# KiCad board MAXI030.kicad_pcb (continued)
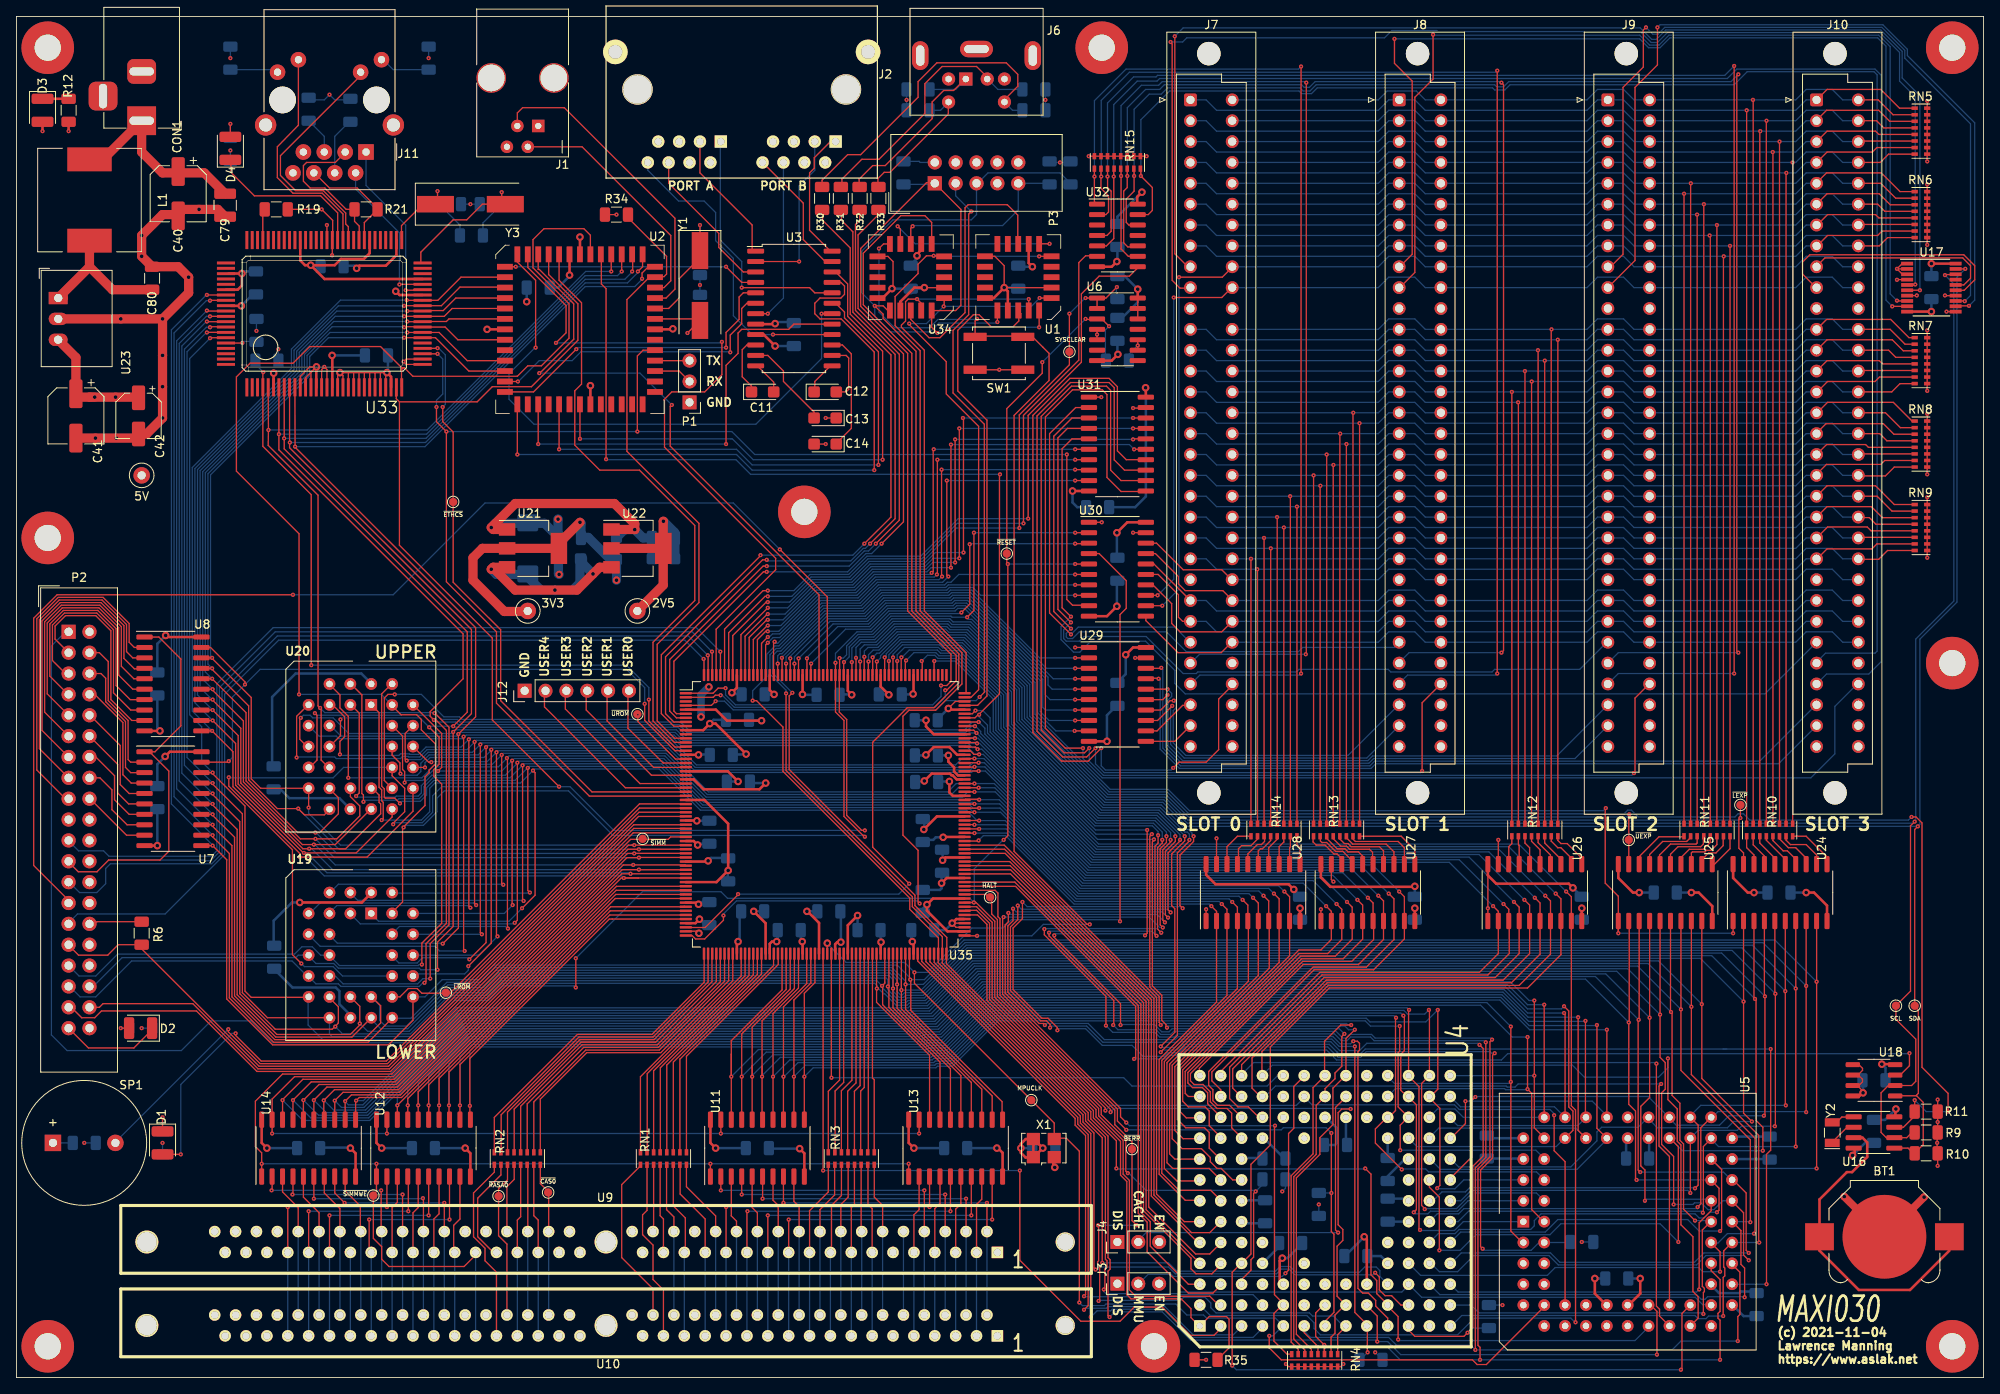
[diagram p0: board, top side]
## Routing (per net, layer and track width the routed paths; a pad name or vN(x,y) marks a point on that pad's centre or on a via; arc(x,y) is an arc through that point) (continued)
D14: length 228.6
  Top w0.152: U12.12 v1(53.98,33.15) 53.98,38.1 72.2,56.32 81.53,56.32 ; U5.55 192.34,30.35 v1(192.34,42.93)
  Bottom w0.152: U4.M9 172.05,26.61 173.3,25.35 189.92,25.35 193.62,29.06 ; v1(192.34,42.93) 192.28,42.86 184.09,42.86 180.66,46.29 118.3,46.29 112.78,40.77 110.74,40.77 110.55,40.58 55.44,40.58 53.98,39.12 v1(53.98,33.15)
D15: length 224.3
  Top w0.152: v1(176.34,33.66) 176.34,30.92 174.56,29.15 ; 55.18,33.02 55.18,31.24 ; 55.18,33.02 55.18,38.86 72.15,55.83 72.5,55.83 ; 55.18,33.02 v1(55.18,33.08) ; 193.68,31.69 193.55,31.81 v1(193.55,42.35) ; 72.5,55.83 72.52,55.82 ; 72.5,55.83 U35.56
  Bottom w0.152: v1(176.34,33.66) 191.77,33.66 193.55,31.88 U5.54 ; v1(193.55,42.35) 184.15,42.35 180.53,45.97 118.43,45.97 112.9,40.45 110.87,40.45 110.68,40.26 55.63,40.26 55.18,39.81 v1(55.18,33.08)
D16: length 371.1
  Top w0.152: 104.68,47.34 104.68,45.69 111.12,39.24 111.12,31.31 ; 104.68,47.34 U35.103 ; 104.68,47.34 104.68,47.34 v1(104.71,47.37) ; 22.51,73.66 v1(23.88,73.66) 23.88,73.53 27.81,69.6 27.81,47.05 28.58,46.29 35.37,46.29 ; 210.19,55.5 v1(210.19,45.78) 210.19,32.19 v1(211.2,31.18) ; 25.46,126.62 23.62,126.62 v1(23.56,126.56)
  Bottom w0.152: v1(211.2,31.18) 208.98,31.18 208.22,30.42 199.71,30.42 198.44,31.69 ; v1(210.19,45.78) 204.91,51.05 116.21,51.05 110.74,45.59 108.65,45.59 108.39,45.34 107.06,45.34 105.66,46.74 105.54,46.74 104.9,47.37 v1(104.71,47.37) 104.71,47.75 104.46,48.01 59.12,48.01 57.34,46.23 53.21,46.23 48.13,41.15 37.27,41.15 35.5,42.93 35.5,46.29 ; v1(23.88,73.66) 22.54,74.99 22.54,79.25 21.08,80.71 21.08,124.08 v1(23.56,126.56) ; 198.69,31.81 197.36,30.48 192.91,30.48 192.34,29.91 192.34,28.83 189.17,25.65 175.51,25.65 174.56,26.61 U4.N9
D17: length 401.3
  Top w0.152: v1(173.16,15.49) 173.16,21.97 171.96,23.18 U4.M8 ; 201.23,29.15 202.25,28.13 v1(202.25,16.51) ; 38.23,43.81 30.54,43.81 27.5,46.86 27.5,68.64 23.88,72.26 v1(23.88,72.39) U7.17 ; 211.46,55.63 211.46,46.23 v1(211.58,46.1) 211.71,45.97 211.71,31.31 212.53,30.48 v1(212.53,27.62) ; v1(23.18,127.25) 23.19,127.27 U33.94 ; U35.105 105.68,48.14 105.66,48.13 105.66,48.01 v1(105.35,47.69) 105.41,47.62 105.41,45.4 112.4,38.42 112.4,31.31
  Bottom w0.152: v1(202.25,16.51) 200.03,18.73 187.96,18.73 186.63,17.4 177.61,17.4 175.7,15.49 v1(173.16,15.49) ; U5.49 201.1,29.15 ; v1(23.18,127.25) 23.11,127.25 20.76,124.9 20.76,75.5 v1(23.88,72.39) ; 201.23,29.02 201.36,29.02 202.76,27.62 v1(212.53,27.62) ; v1(211.58,46.1) 206.31,51.37 116.08,51.37 110.62,45.91 108.52,45.91 108.27,45.66 107.19,45.66 105.35,47.5 v1(105.35,47.69) 104.71,48.32 58.99,48.32 57.21,46.55 53.09,46.55 48.07,41.53 38.42,41.53 38.1,41.85 U19.14
D18: length 387.3
  Top w0.152: v1(177.55,34.16) 177.17,33.78 177.17,26.92 174.5,24.26 U4.N8 ; v1(23.56,127.89) 23.62,127.95 25.46,127.95 ; 38.04,46.29 39.18,45.15 39.18,43.18 v1(38.8,42.74) 38.42,42.42 31.5,42.42 27.18,46.74 27.18,67.69 23.88,70.99 v1(23.88,71.12) U7.16 ; U35.106 106.18,47.75 ; 106.18,47.75 106.05,47.62 v1(106.05,47.62) ; 106.18,47.75 106.18,45.08 113.67,37.59 113.67,30.48 113.67,30.73 ; 212.72,55.69 212.72,46.48 v1(212.79,46.42) 212.79,32 v1(212.66,31.88)
  Bottom w0.152: U4.N8 174.5,24.13 ; v1(212.66,31.88) 208.41,31.88 207.26,30.73 201.99,30.73 201.1,31.62 ; v1(23.56,127.89) 23.11,127.89 20.45,125.22 20.45,74.55 v1(23.88,71.12) ; v1(212.79,46.42) 207.52,51.69 115.95,51.69 110.49,46.23 108.39,46.23 108.14,45.97 107.31,45.97 106.05,47.24 v1(106.05,47.62) 106.05,48.45 105.85,48.64 58.86,48.64 57.09,46.86 52.96,46.86 47.94,41.85 39.69,41.85 v1(38.8,42.74) ; v1(177.55,34.16) 177.61,34.23 198.56,34.23 201.17,31.62 ; U19.15 38.1,46.23
D19: length 389.1
  Top w0.152: v1(203.71,22.48) 203.71,28.89 ; v1(23.18,128.59) 23.2,128.56 U33.92 ; 115,31.12 114.94,31.18 114.94,36.77 106.68,45.03 106.68,47.43 ; 214,55.5 214,46.8 v1(214.06,46.74) 214.06,30.67 v1(214,30.61) ; 106.68,47.43 106.68,47.38 v1(106.68,47.37) ; 106.68,47.43 U35.107 ; U19.17 41.78,45.21 v1(41.78,43.12) 41.78,42.93 40.64,41.78 31.69,41.78 26.86,46.61 26.86,66.74 23.88,69.72 v1(23.88,69.85) 22.61,69.85
  Bottom w0.152: v1(203.71,22.48) 203.39,22.8 177.04,22.8 175.77,21.53 U4.N7 ; v1(23.88,69.85) 20.13,73.6 20.13,125.6 23.11,128.59 v1(23.18,128.59) ; 203.64,29.08 204.66,30.1 209.42,30.1 209.93,30.61 v1(214,30.61) ; v1(214.06,46.74) 208.79,52.01 115.82,52.01 110.36,46.55 108.2,46.55 107.95,46.29 107.44,46.29 106.68,47.05 v1(106.68,47.37) 106.68,48.45 106.17,48.96 58.74,48.96 56.96,47.18 52.83,47.18 47.82,42.16 42.74,42.16 v1(41.78,43.12)
D20: length 393.4
  Top w0.152: U5.46 204.66,30.73 204.66,23.43 v1(204.28,23.05) ; v1(215.33,33.15) 215.27,33.21 v1(215.27,47.05) 215.27,55.63 ; U33.91 23.57,129.22 v1(23.56,129.22) ; v1(107.18,47.88) 107.18,47.77 107.19,47.75 ; v1(107.18,47.88) 107.18,44.97 116.21,35.94 116.21,31.43 116.14,31.37 ; v1(107.18,47.88) 107.18,51.62 ; 22.51,68.58 v1(23.88,68.58) 23.88,68.45 26.54,65.79 26.54,46.48 31.56,41.47 40.83,41.47 U19.18
  Bottom w0.152: 43.12,43.69 44.32,42.48 47.63,42.48 52.64,47.5 56.83,47.5 58.61,49.28 106.3,49.28 107.18,48.4 v1(107.18,47.88) 107.18,47 107.57,46.61 107.82,46.61 108.08,46.86 110.24,46.86 115.7,52.32 209.99,52.32 v1(215.27,47.05) ; v1(23.56,129.22) 23.11,129.22 19.81,125.92 19.81,72.64 v1(23.88,68.58) ; v1(215.33,33.15) 204.98,33.15 203.58,31.75 ; U4.M7 172.4,21.53 173.48,22.61 176.34,22.61 176.85,23.11 204.22,23.11 v1(204.28,23.05)
D21: length 404.7
  Top w0.152: v1(205.23,20.07) 205.3,20.13 205.3,28.13 206.25,29.08 ; 43.31,46.29 44.32,45.28 44.32,43.18 42.29,41.15 31.43,41.15 26.23,46.36 26.23,64.77 23.88,67.12 v1(23.88,67.31) U7.13 ; 216.53,55.75 v1(216.53,47.37) v1(216.53,28.13) ; v1(23.18,129.92) 23.23,129.87 U33.90 ; 107.68,51.62 107.7,51.6 v1(107.7,47.18) 107.7,44.89 117.48,35.12 117.48,31.31
  Bottom w0.152: v1(205.23,20.07) 205.04,20.26 176.72,20.26 175.45,18.99 U4.N6 ; 43.12,46.42 44.2,45.34 44.2,43.5 44.89,42.8 47.5,42.8 52.51,47.82 56.64,47.82 58.42,49.59 106.43,49.59 107.7,48.32 v1(107.7,47.18) 110.11,47.18 115.57,52.64 211.26,52.64 v1(216.53,47.37) ; v1(216.53,28.13) 207.14,28.13 206.18,29.08 ; v1(23.18,129.92) 19.49,126.24 19.49,71.69 v1(23.88,67.31)
D22: length 401.6
  Top w0.152: U5.44 204.98,30.42 204.98,21.15 v1(204.6,20.76) ; 118.75,31.5 118.75,34.29 108.2,44.83 v1(108.2,47.88) 108.2,51.59 108.18,51.62 ; 22.51,66.04 v1(23.88,66.04) 23.88,65.85 25.91,63.82 25.91,46.23 31.31,40.83 42.8,40.83 45.72,43.75 ; 217.81,55.75 v1(217.81,47.69) v1(217.81,32.32) ; U33.88 23.6,131.16 v1(23.56,131.13) ; 22.54,66.1 22.48,66.04
  Bottom w0.152: U4.M6 172.91,19.94 175.51,19.94 176.15,20.57 204.6,20.57 204.79,20.76 v1(204.6,20.76) ; v1(217.81,47.69) 212.53,52.96 115.44,52.96 110.36,47.88 v1(108.2,47.88) 108.2,48.26 106.55,49.91 58.23,49.91 56.45,48.13 52.39,48.13 48.01,43.75 45.66,43.75 ; v1(217.81,32.32) 217.74,32.39 207.07,32.39 206.31,31.62 ; v1(23.56,131.13) 23.11,131.13 19.18,127.19 19.18,70.74 v1(23.88,66.04)
D23: length 413.8
  Top w0.152: 206.18,26.67 207.52,25.34 207.52,18.03 v1(207.33,17.84) ; 120.02,31.5 119.95,31.56 119.95,33.59 108.84,44.7 108.84,48.39 108.68,48.55 108.68,51.62 ; 219.08,55.75 v1(219.08,48.2) v1(219.08,25.46) ; U13.11 120.02,31.31 ; 108.78,48.26 v1(108.78,48.45) ; v1(23.18,131.83) 23.19,131.81 U33.87 ; 21.72,64.77 U7.11 v1(23.88,64.77) 25.59,63.06 25.59,46.1 31.18,40.51 45.28,40.51 48.26,43.5 48.26,46.16
  Bottom w0.152: v1(23.18,131.83) 23.11,131.83 18.86,127.57 18.86,69.85 23.88,64.83 v1(23.88,64.77) ; U4.N5 175.77,17.72 186.06,17.72 187.58,19.24 203.39,19.24 204.79,17.84 v1(207.33,17.84) ; v1(219.08,48.2) 214,53.28 115.32,53.28 110.49,48.45 v1(108.78,48.45) 108.78,48.64 107.19,50.23 58.1,50.23 56.32,48.45 51.82,48.45 49.72,46.36 U19.21 ; 206.18,26.54 206.31,26.54 207.39,25.46 v1(219.08,25.46)
D24: length 459.4
  Top w0.152: 206.18,24.07 207.2,23.05 207.2,20.38 v1(206.95,20.13) ; 74.93,64.83 75.18,64.83 v1(75.18,64.83) ; 74.93,64.83 74.48,64.83 45.97,36.32 34.86,36.32 32.39,33.85 v1(32.39,33.78) 32.39,31.37 ; 74.93,64.83 U35.38 ; v1(197.17,24.07) 197.04,24.19 197.04,32.45 196.22,33.27 v1(196.22,43.24) 196.28,43.31 196.28,55.69 ; U33.36 50.99,126.62 55.05,122.56 59.56,122.56 ; 35.37,71.75 29.72,71.75 28.58,72.9 28.58,82.8 23.81,87.57 v1(23.81,87.63) 22.58,87.63 ; U14.18 32.48,31.4 32.51,31.43 ; U20.13 v1(35.56,69.41) ; v1(47.18,126.62) 49.09,126.62
  Bottom w0.152: v1(206.95,20.13) 206.06,20.13 205.36,19.43 204.79,19.43 204.28,19.94 185.55,19.94 184.72,19.11 184.72,18.48 184.28,18.03 175.58,18.03 175.07,17.53 173.04,17.53 U4.M5 ; v1(75.18,64.83) 39.43,64.83 35.56,68.71 v1(35.56,69.41) ; 32.39,33.66 v1(32.39,33.78) 34.86,31.31 42.99,31.31 54.48,42.8 109.54,42.8 109.79,43.05 111.89,43.05 117.35,48.51 190.94,48.51 v1(196.22,43.24) ; v1(47.18,126.62) 37.97,126.62 35.69,124.33 35.69,121.98 23.62,109.92 23.62,87.82 v1(23.81,87.63) ; v1(197.17,24.07) U5.40
D25: length 469.2
  Top w0.152: v1(210.82,15.18) 210.5,15.49 210.5,22.48 208.92,24.07 ; U2.17 54.86,123.83 51.44,127.25 49.4,127.25 ; 33.66,31.31 v1(33.66,33.78) 35.88,36 46.1,36 74.42,64.33 v1(75.76,64.33) 75.76,64.33 U35.39 ; 197.49,55.63 197.49,43.62 v1(197.42,43.56) 197.36,43.5 197.36,25.27 v1(197.61,25.02) ; 22.58,86.36 v1(23.81,86.36) 23.81,86.23 28.26,81.79 28.26,72.77 31.75,69.28 v1(34.29,69.28) 35.05,68.52 37.47,68.52 38.23,69.28 ; U8.17 22.23,86.36 ; v1(47.56,127.25) 49.28,127.25
  Bottom w0.152: U4.N4 174.56,13.91 175.83,15.18 186.69,15.18 187.83,14.03 204.22,14.03 205.36,15.18 v1(210.82,15.18) ; v1(34.29,69.28) 39.24,64.33 v1(75.76,64.33) ; v1(23.81,86.36) 23.3,86.87 23.3,110.05 35.37,122.11 35.37,124.46 38.16,127.25 v1(47.56,127.25) ; v1(33.66,33.78) 35.81,31.62 42.86,31.62 54.36,43.12 109.35,43.12 109.6,43.37 111.76,43.37 117.22,48.83 192.15,48.83 v1(197.42,43.56) ; v1(197.61,25.02) 207.74,25.02 208.63,24.13 208.92,24.13
D26: length 465.7
  Top w0.152: v1(204.79,10.73) 204.79,18.86 206.25,20.32 206.25,21.46 ; 38.04,71.75 39.18,70.61 39.18,68.64 36.89,66.36 v1(36.39,66.36) 34.23,66.36 27.94,72.64 27.94,80.96 v1(23.81,85.09) 22.58,85.09 ; v1(75.18,63.82) 75.17,63.83 75.13,63.83 ; v1(47.18,127.89) 47.24,127.95 49.21,127.95 ; U35.40 75.13,63.83 ; 75.13,63.83 75.12,63.82 74.36,63.82 46.23,35.69 36.83,35.69 v1(34.93,33.78) 34.93,31.12 ; U33.38 52.17,127.91 53.72,126.37 59.5,126.37 ; v1(198.18,21.53) 198.18,25.27 197.68,25.78 197.68,33.02 198.75,34.1 v1(198.75,43.81) 198.75,55.63 ; 34.99,31.18 35.05,31.18
  Bottom w0.152: v1(204.79,10.73) 204.47,10.41 175.45,10.41 U4.N3 ; 206.38,21.53 206.18,21.72 198.37,21.72 v1(198.18,21.53) ; v1(47.18,127.89) 47.12,127.95 38.42,127.95 35.05,124.59 35.05,122.24 22.99,110.17 22.99,85.92 v1(23.81,85.09) ; v1(34.93,33.78) 36.77,31.94 42.74,31.94 54.23,43.43 109.22,43.43 109.47,43.69 111.63,43.69 117.09,49.15 193.42,49.15 v1(198.75,43.81) ; v1(75.18,63.82) 38.99,63.82 36.45,66.36 v1(36.39,66.36)
D27: length 475.6
  Top w0.152: v1(210.82,14.29) 210.19,14.92 210.19,20.07 208.72,21.53 ; 40.64,71.82 40.64,70.74 41.78,69.6 41.78,68.39 38.99,65.6 v1(36.39,65.6) 34.54,65.6 27.62,72.52 27.62,79.95 23.88,83.69 v1(23.88,83.82) 22.67,83.82 ; 200.03,55.75 v1(200.03,44.2) 200.03,38.99 200.66,38.35 200.66,35.12 200.22,34.67 200.22,28.38 201.68,26.92 v1(201.68,21.08) ; 36.2,31.37 v1(36.2,33.78) 37.78,35.37 46.36,35.37 74.3,63.31 75.78,63.31 75.8,63.33 ; U35.41 75.8,63.33 ; 75.8,63.33 75.78,63.33 v1(75.76,63.31) ; 49.97,128.59 52.32,128.59 52.64,128.91 U2.13 ; v1(47.56,128.59) 47.58,128.56 U33.39
  Bottom w0.152: v1(201.68,21.08) 204.03,21.08 204.22,21.27 205.04,21.27 205.87,20.45 206.57,20.45 207.65,21.53 U5.37 ; v1(36.2,33.78) 37.72,32.26 42.61,32.26 54.1,43.75 109.09,43.75 109.35,44.01 111.51,44.01 116.97,49.47 194.75,49.47 v1(200.03,44.2) ; v1(47.56,128.59) 38.61,128.59 34.73,124.71 34.73,122.36 22.67,110.3 22.67,85.03 v1(23.88,83.82) ; U4.M4 172.15,13.91 173.16,12.89 175.39,12.89 177.36,14.86 186.5,14.86 187.64,13.72 204.47,13.72 205.61,14.86 210.25,14.86 v1(210.82,14.29) ; v1(36.39,65.6) 38.67,63.31 v1(75.76,63.31)
D28: length 464.1
  Top w0.152: U4.N2 174.82,8.83 174.88,8.76 ; v1(205.3,7.75) 205.3,10.35 205.42,10.48 205.42,10.86 205.17,11.11 205.17,17.97 206.18,18.99 ; 22.58,82.55 v1(23.88,82.55) 23.88,82.49 27.31,79.06 27.31,72.39 34.8,64.9 v1(36.2,64.9) 38.8,64.9 43.18,69.28 ; U35.43 81.37,62.42 v1(75.06,62.42) 73.85,62.42 46.48,35.05 38.7,35.05 v1(37.4,33.75) 37.4,31.24 ; 59.44,130.18 53.02,130.18 52.06,129.22 U33.40 ; v1(47.18,129.22) 49.09,129.22 ; 204.28,19.05 v1(204.28,19.11) 202.88,20.51 202.88,28.45 202.44,28.89 202.44,33.4 201.49,34.35 201.49,44.39 v1(201.36,44.51) 201.3,44.58 201.3,55.75
  Bottom w0.152: U4.N2 177.04,8.83 177.99,7.87 205.17,7.87 v1(205.3,7.75) ; v1(37.4,33.75) 37.43,33.75 38.61,32.58 42.48,32.58 53.98,44.07 108.97,44.07 109.22,44.32 111.32,44.32 116.78,49.78 196.09,49.78 v1(201.36,44.51) ; v1(23.88,82.55) 23.81,82.55 22.35,84.01 22.35,110.43 34.42,122.49 34.42,124.84 38.8,129.22 v1(47.18,129.22) ; v1(75.06,62.42) 38.8,62.42 36.32,64.9 v1(36.2,64.9) ; v1(204.28,19.11) 206.31,19.11
D29: length 477.8
  Top w0.152: v1(211.01,18.92) 211.01,28.96 202.56,37.4 v1(202.56,44.83) 202.56,55.69 ; v1(75.76,61.85) 75.74,61.83 75.58,61.83 ; v1(47.56,129.86) 47.57,129.87 U33.41 ; U5.35 209.87,17.91 209.87,13.78 210.31,13.34 v1(210.31,9.78) ; U2.11 53.47,131.44 51.94,129.92 49.78,129.92 ; U35.44 75.58,61.83 ; 75.58,61.83 75.57,61.85 73.72,61.85 46.61,34.73 39.75,34.73 v1(38.74,33.72) 38.74,31.37 ; 43.31,71.75 44.13,70.93 44.13,70.04 44.32,69.85 44.32,68.64 40.07,64.39 34.86,64.39 26.99,72.26 26.99,78.17 v1(23.88,81.28) 22.58,81.28
  Bottom w0.152: U4.M3 173.23,10.1 204.47,10.1 205.04,9.53 205.49,9.53 205.8,9.84 210.25,9.84 v1(210.31,9.78) ; v1(202.56,44.83) 197.29,50.1 116.59,50.1 111.12,44.64 109.09,44.64 108.84,44.39 53.78,44.39 42.29,32.89 39.56,32.89 v1(38.74,33.72) ; v1(35.62,64.39) 35.94,64.39 38.48,61.85 v1(75.76,61.85) ; U5.35 210.95,18.99 v1(211.01,18.92) ; v1(23.88,81.28) 22.03,83.12 22.03,110.55 34.1,122.62 34.1,124.97 38.99,129.86 v1(47.56,129.86)
D30: length 474.7
  Top w0.152: 206.18,16.45 207.33,15.3 v1(207.33,12.89) ; v1(211.46,17.53) 211.58,17.65 211.58,29.15 203.84,36.89 v1(203.84,45.15) 203.84,55.44 ; v1(47.18,130.49) 47.2,130.52 U33.42 51.71,130.52 53.98,132.78 59.37,132.78 ; 81.47,61.34 v1(74.74,61.34) 73.66,61.34 46.74,34.42 40.77,34.42 v1(40.01,33.66) U14.12 ; U20.20 45.72,68.26 41.34,63.88 v1(34.99,63.88) 34.93,63.88 26.67,72.14 26.67,77.22 v1(23.88,80.01) 22.58,80.01
  Bottom w0.152: v1(211.46,17.53) 208.22,17.53 207.07,16.38 206.25,16.38 ; v1(203.84,45.15) 198.56,50.42 116.46,50.42 111,44.96 108.97,44.96 108.71,44.7 53.66,44.7 42.16,33.21 40.39,33.21 40.01,33.59 v1(40.01,33.66) ; v1(34.99,63.88) 35.37,63.88 37.78,61.47 74.61,61.47 v1(74.74,61.34) ; U4.L4 170.88,12.45 186.31,12.45 187.26,13.4 204.72,13.4 205.23,12.89 v1(207.33,12.89) ; v1(23.88,80.01) 21.72,82.17 21.72,110.68 33.78,122.75 33.78,125.09 39.18,130.49 v1(47.18,130.49)
D31: length 479.4
  Top w0.152: v1(207.71,7.49) 207.71,12.19 207.9,12.38 207.9,13.34 207.77,13.46 207.77,15.43 208.72,16.38 ; v1(212.09,16.45) 212.03,16.51 212.03,29.5 205.11,36.42 v1(205.11,45.47) 205.11,55.44 ; 48.26,71.63 48.26,68.96 42.67,63.37 v1(34.48,63.37) 34.48,63.82 26.35,71.95 26.35,76.2 v1(23.81,78.74) 22.58,78.74 ; 75.7,60.83 73.59,60.83 46.86,34.1 41.72,34.1 v1(41.34,33.72) 41.28,33.66 41.28,31.56 ; 75.7,60.83 U35.46 ; 75.7,60.83 v1(73.92,60.83) ; 41.28,31.31 41.21,31.24 ; v1(47.5,131.19) 47.52,131.16 U33.43 ; 49.34,131.13 49.38,131.16 U33.43 ; U33.43 51.28,131.16 54.1,133.99 59.44,133.99
  Bottom w0.152: v1(207.71,7.49) 205.93,7.49 205.61,7.18 204.66,7.18 204.28,7.56 175.9,7.56 174.62,6.29 U4.N1 ; v1(41.34,33.72) 42.23,33.72 53.53,45.02 108.52,45.02 108.78,45.28 110.87,45.28 116.33,50.74 199.83,50.74 v1(205.11,45.47) ; v1(34.48,63.37) 35.18,63.37 37.47,61.09 73.66,61.09 v1(73.92,60.83) ; v1(212.09,16.45) 208.85,16.45 ; v1(47.5,131.19) 39.43,131.19 33.46,125.22 33.46,122.87 21.4,110.81 21.4,81.15 v1(23.81,78.74)
ETHINT: length 91.9
  Top w0.152: v1(35.88,86.74) 35.88,107.51 29.99,113.39 U33.4 29.99,122.38 v1(30.04,122.43) ; 81.41,76.77 80.14,76.77 76.96,79.95 v1(76.96,82.55)
  Bottom w0.152: v1(30.04,122.43) 29.02,123.44 29.02,123.7 ; v1(35.88,86.74) 74.23,86.74 76.96,84.01 v1(76.96,82.55)
EXPA0: length 151.6
  Top w0.152: J10.a12 220.28,128.84 228.09,128.84 230.31,126.62 RN7.1 ; v1(187.58,126.37) 187.59,126.36 RN12.9
  Bottom w0.152: J7.a12 144.78,127.63 146.05,126.37 165.74,126.37 167,127.63 J8.a12 170.18,127.63 171.45,126.37 v1(187.58,126.37) 191.13,126.37 192.41,127.63 J9.a12 195.58,127.63 196.85,126.37 216.53,126.37 217.81,127.63 J10.a12
EXPA1: length 147.1
  Top w0.152: RN7.2 229.84,125.83 228.03,127.63 224.22,127.63 ; v1(186.82,127.63) 186.79,127.6 RN12.10
  Bottom w0.152: J7.c12 165.74,127.63 167,128.91 170.18,128.91 171.45,127.63 J8.c12 v1(186.82,127.63) 191.13,127.63 192.41,128.91 195.58,128.91 196.85,127.63 J9.c12 216.53,127.63 217.81,128.91 220.98,128.91 222.25,127.63 224.16,127.63
EXPA2: length 148.8
  Top w0.152: v1(185.99,123.83) 185.99,123.82 RN12.11 ; RN7.3 229.62,125.03 228.28,126.37 220.34,126.37 J10.a13
  Bottom w0.152: J10.a13 217.81,125.09 216.53,123.83 196.85,123.83 195.58,125.09 J9.a13 192.41,125.09 191.13,123.83 v1(185.99,123.83) 171.45,123.83 170.18,125.09 J8.a13 167,125.09 165.74,123.83 146.05,123.83 144.78,125.09 J7.a13
EXPA3: length 144.2
  Top w0.152: 224.22,125.09 227.84,125.09 228.71,124.22 RN7.4 ; RN12.12 185.19,125.08 v1(185.17,125.09)
  Bottom w0.152: 224.16,125.09 222.25,125.09 220.98,126.37 217.81,126.37 216.53,125.09 J9.c13 196.85,125.09 195.58,126.37 192.41,126.37 191.13,125.09 v1(185.17,125.09) J8.c13 171.45,125.09 170.18,126.37 167,126.37 165.74,125.09 J7.c13
EXPA4: length 145.8
  Top w0.152: J10.a14 220.34,123.83 226.69,123.83 227.09,123.43 RN7.5 ; RN12.13 184.38,121.27 v1(184.4,121.28)
  Bottom w0.152: J10.a14 217.81,122.56 216.53,121.28 196.85,121.28 195.58,122.56 J9.a14 192.41,122.56 191.13,121.28 v1(184.4,121.28) 171.45,121.28 170.18,122.56 J8.a14 167,122.56 165.74,121.28 146.05,121.28 144.78,122.56 J7.a14
EXPA5: length 141.5
  Top w0.152: RN7.6 224.1,122.62 224.1,122.62 224.16,122.62 ; v1(183.58,122.56) 183.59,122.55 RN12.14
  Bottom w0.152: 224.16,122.56 222.25,122.56 220.98,123.83 217.81,123.83 216.53,122.56 J9.c14 196.85,122.56 195.58,123.83 192.41,123.83 191.13,122.56 v1(183.58,122.56) J8.c14 171.45,122.56 170.18,123.83 167,123.83 165.74,122.56 J7.c14
EXPA6: length 143.4
  Top w0.152: v1(182.75,118.75) 182.79,118.71 RN12.15 ; 219.08,119.95 220.41,121.28 226.19,121.28 226.73,121.83 RN7.7
  Bottom w0.152: J10.a15 217.81,120.02 216.53,118.75 196.85,118.75 195.58,120.02 J9.a15 192.41,120.02 191.13,118.75 v1(182.75,118.75) 171.45,118.75 170.18,120.02 J8.a15 167,120.02 165.74,118.75 146.05,118.75 144.78,120.02 J7.a15
EXPA7: length 139.2
  Top w0.152: RN7.8 229.23,121.03 228.22,120.02 224.16,120.02 ; v1(181.99,120.02) 181.99,120.01 RN12.16
  Bottom w0.152: J7.c15 165.74,120.02 167,121.28 170.18,121.28 171.45,120.02 J8.c15 191.13,120.02 192.41,121.28 195.58,121.28 196.85,120.02 J9.c15 216.53,120.02 217.81,121.28 220.98,121.28 222.25,120.02 224.16,120.02
EXPA8: length 141.5
  Top w0.152: RN13.9 163.46,116.2 v1(163.45,116.21) ; 219.14,117.47 220.41,118.75 228.41,118.75 230.69,116.47 RN8.1
  Bottom w0.152: J7.a16 144.78,117.47 146.05,116.21 v1(163.45,116.21) 165.74,116.21 167,117.47 J8.a16 170.18,117.47 171.45,116.21 191.13,116.21 192.41,117.47 J9.a16 195.58,117.47 196.85,116.21 216.53,116.21 217.81,117.47 J10.a16
EXPA9: length 137
  Top w0.152: RN13.10 162.66,117.44 v1(162.69,117.47) ; 224.16,117.47 227.46,117.47 229.27,115.66 RN8.2
  Bottom w0.152: 224.16,117.47 222.25,117.47 220.98,118.75 217.81,118.75 216.53,117.47 J9.c16 196.85,117.47 195.58,118.75 192.41,118.75 191.13,117.47 J8.c16 171.45,117.47 170.18,118.75 167,118.75 165.74,117.47 v1(162.69,117.47) J7.c16
EXPA10: length 138.6
  Top w0.152: 219.01,114.94 220.22,116.14 227.2,116.14 228.48,114.87 RN8.3 ; v1(161.86,113.66) 161.86,113.66 RN13.11
  Bottom w0.152: J10.a17 217.81,114.94 216.53,113.66 196.85,113.66 195.58,114.94 J9.a17 192.41,114.94 191.13,113.66 171.45,113.66 170.18,114.94 J8.a17 167,114.94 165.74,113.66 v1(161.86,113.66) 146.05,113.66 144.78,114.94 J7.a17
EXPA11: length 134
  Top w0.152: 224.22,114.94 226.76,114.94 227.63,114.06 RN8.4 ; v1(161.1,114.94) 161.06,114.89 RN13.12
  Bottom w0.152: 224.16,114.94 222.25,114.94 220.98,116.21 217.81,116.21 216.53,114.94 J9.c17 196.85,114.94 195.58,116.21 192.41,116.21 191.13,114.94 J8.c17 171.45,114.94 170.18,116.21 167,116.21 165.74,114.94 v1(161.1,114.94) J7.c17
EXPA12: length 135.5
  Top w0.152: RN8.5 225.38,113.27 225.04,113.6 220.28,113.6 219.14,112.46 ; v1(160.27,111.12) 160.25,111.11 RN13.13
  Bottom w0.152: J10.a18 217.81,112.4 216.53,111.12 196.85,111.12 195.58,112.4 J9.a18 192.41,112.4 191.13,111.12 171.45,111.12 170.18,112.4 J8.a18 167,112.4 165.74,111.12 v1(160.27,111.12) 146.05,111.12 144.78,112.4 J7.a18
EXPA13: length 131.1
  Top w0.152: RN8.6 224.42,112.47 224.28,112.33 ; v1(159.45,112.4) 159.46,112.39 RN13.14
  Bottom w0.152: 224.16,112.4 222.25,112.4 220.98,113.66 217.81,113.66 216.53,112.4 J9.c18 196.85,112.4 195.58,113.66 192.41,113.66 191.13,112.4 J8.c18 171.45,112.4 170.18,113.66 167,113.66 165.74,112.4 v1(159.45,112.4) J7.c18
EXPA14: length 133.2
  Top w0.152: RN13.15 158.66,108.55 v1(158.69,108.59) ; RN8.7 227.36,111.66 226.89,111.19 220.28,111.19 219.01,109.92
  Bottom w0.152: J7.a19 144.78,109.85 146.05,108.59 v1(158.69,108.59) 165.74,108.59 167,109.85 J8.a19 170.18,109.85 171.45,108.59 191.13,108.59 192.41,109.85 J9.a19 195.58,109.85 196.85,108.59 216.53,108.59 217.81,109.85 J10.a19
EXPA15: length 129.3
  Top w0.152: RN8.8 228.53,110.87 227.46,109.79 223.96,109.79 ; v1(157.86,109.85) 157.86,109.85 RN13.16
  Bottom w0.152: 224.16,109.85 222.25,109.85 220.98,111.12 217.81,111.12 216.53,109.85 J9.c19 196.85,109.85 195.58,111.12 192.41,111.12 191.13,109.85 J8.c19 171.45,109.85 170.18,111.12 167,111.12 165.74,109.85 v1(157.86,109.85) J7.c19
EXPA16: length 131.3
  Top w0.152: 219.14,107.38 220.34,108.59 226.25,108.59 228.53,106.31 RN9.1 ; v1(155.83,106.05) 155.84,106.04 RN14.9
  Bottom w0.152: J10.a20 217.81,107.31 216.53,106.05 196.85,106.05 195.58,107.31 J9.a20 192.41,107.31 191.13,106.05 171.45,106.05 170.18,107.31 J8.a20 167,107.31 165.74,106.05 v1(155.83,106.05) 146.05,106.05 144.78,107.31 J7.a20
EXPA17: length 126.7
  Top w0.152: 224.35,107.31 226.44,107.31 228.25,105.5 RN9.2 ; v1(155,107.31) 155.04,107.28 RN14.10
  Bottom w0.152: 224.16,107.31 222.25,107.31 220.98,108.59 217.81,108.59 216.53,107.31 J9.c20 196.85,107.31 195.58,108.59 192.41,108.59 191.13,107.31 J8.c20 171.45,107.31 170.18,108.59 167,108.59 165.74,107.31 v1(155,107.31) J7.c20
EXPA18: length 128.5
  Top w0.152: RN9.3 227.08,104.71 225.74,106.05 220.34,106.05 J10.a21 ; v1(154.24,103.5) 154.24,103.5 RN14.11
  Bottom w0.152: J10.a21 217.81,104.78 216.53,103.5 196.85,103.5 195.58,104.78 J9.a21 192.41,104.78 191.13,103.5 171.45,103.5 170.18,104.78 J8.a21 167,104.78 165.74,103.5 v1(154.24,103.5) 146.05,103.5 144.78,104.78 J7.a21
EXPA19: length 124
  Top w0.152: 153.44,67.44 153.44,104.76 v1(153.42,104.78) ; 224.03,104.71 225.49,104.71 226.3,103.91 RN9.4
  Bottom w0.152: 224.16,104.78 222.25,104.78 220.98,106.05 217.81,106.05 216.53,104.78 J9.c21 196.85,104.78 195.58,106.05 192.41,106.05 191.13,104.78 J8.c21 171.45,104.78 170.18,106.05 167,106.05 165.74,104.78 v1(153.42,104.78) J7.c21
EXPA20: length 125.6
  Top w0.152: RN9.5 225.7,103.1 225.23,103.57 220.41,103.57 J10.a22 ; v1(152.65,100.97) 152.63,100.95 RN14.13
  Bottom w0.152: J7.a22 144.78,102.24 146.05,100.97 v1(152.65,100.97) 165.74,100.97 167,102.24 J8.a22 170.18,102.24 171.45,100.97 191.13,100.97 192.41,102.24 J9.a22 195.58,102.24 196.85,100.97 216.53,100.97 217.81,102.24 J10.a22
EXPA21: length 121.1
  Top w0.152: 224.09,102.24 224.16,102.31 RN9.6 ; RN14.14 151.84,102.23 v1(151.83,102.24)
  Bottom w0.152: 224.16,102.24 222.25,102.24 220.98,103.5 217.81,103.5 216.53,102.24 J9.c22 196.85,102.24 195.58,103.5 192.41,103.5 191.13,102.24 J8.c22 171.45,102.24 170.18,103.5 167,103.5 165.74,102.24 v1(151.83,102.24) J7.c22
EXPA22: length 123.1
  Top w0.152: RN9.7 226.41,101.5 225.81,100.9 220.34,100.9 219.08,99.63 ; RN14.15 151.04,98.39 v1(151,98.43)
  Bottom w0.152: J7.a23 144.78,99.69 146.05,98.43 v1(151,98.43) 165.74,98.43 167,99.69 J8.a23 170.18,99.69 171.45,98.43 191.13,98.43 192.41,99.69 J9.a23 195.58,99.69 196.85,98.43 216.53,98.43 217.81,99.69 J10.a23
EXPA23: length 118.9
  Top w0.152: v1(150.24,99.69) 150.24,99.69 RN14.16 ; RN9.8 227.71,100.71 226.63,99.63 224.16,99.63
  Bottom w0.152: 224.16,99.69 222.25,99.69 220.98,100.97 217.81,100.97 216.53,99.69 J9.c23 196.85,99.69 195.58,100.97 192.41,100.97 191.13,99.69 J8.c23 171.45,99.69 170.18,100.97 167,100.97 165.74,99.69 v1(150.24,99.69) J7.c23
EXPD16: length 179.5
  Top w0.152: 219.14,155.64 220.34,156.84 226.89,156.84 229.17,154.56 RN5.1 ; v1(210.57,154.31) 210.56,154.3 RN10.16
  Bottom w0.152: J10.a1 217.81,155.58 216.53,154.31 v1(210.57,154.31) 196.85,154.31 195.58,155.58 J9.a1 192.41,155.58 191.13,154.31 171.45,154.31 170.18,155.58 J8.a1 167,155.58 165.74,154.31 146.05,154.31 144.78,155.58 J7.a1